# Altium PCB 6502_CPU_MainBoard_PCB_V1_2.PcbDoc (part 3 of 5)
Units mil, origin at the board's own origin, x right, y up, seen from the top; angles counter-clockwise.
Board outline 9000 x 6000 mil, 4 copper layers (Top Layer, Plane(GND), Plane(Power), Bottom Layer), stack 23.756 mil thick; 386 components, 378 nets, 1499 pads, 666 vias.
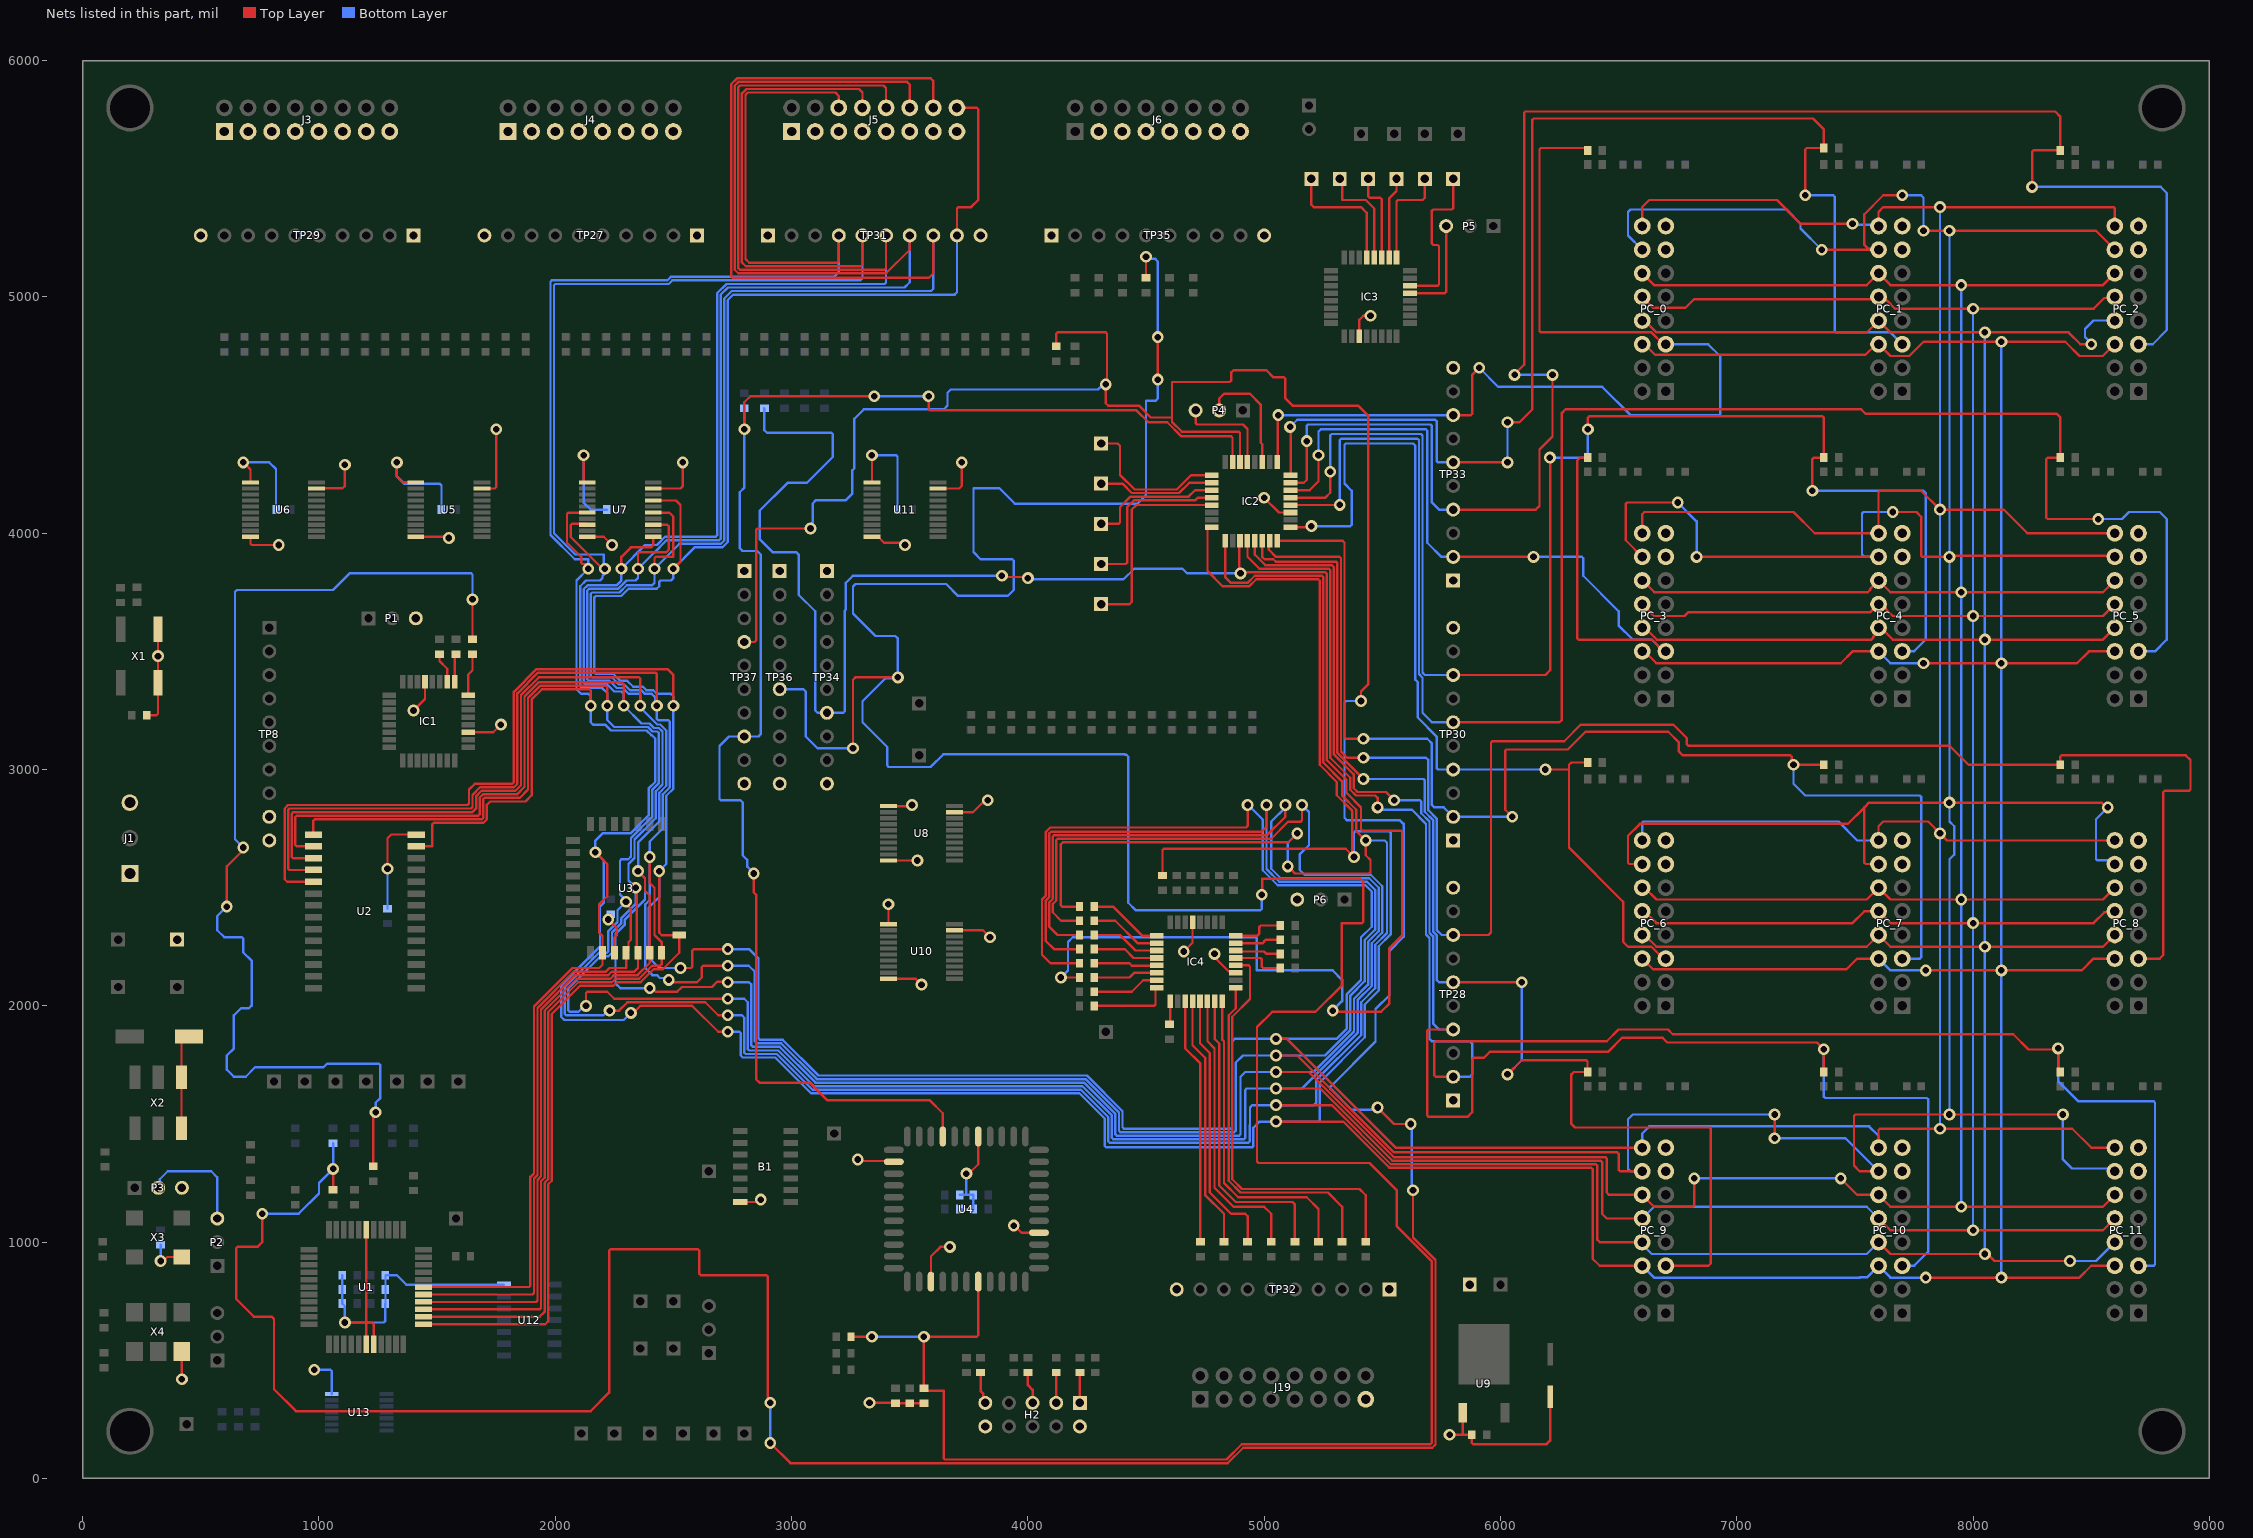
[diagram p5: the nets of this part, all layers, seen from the top]

## Via types
v1: diameter 50, hole 28, Top Layer to Bottom Layer, 666 vias

## Nets (pads, with @x,y where several pads share a name; then routed paths per layer and width w, separated by ;. In a path a pad name is that pad's centre, name@x,y a point inside that pad or via, vN(x,y) a via of type N, cw(c..) or ccw(c..) an arc to the next point about the centre after c; other vN are vias at no path point) (continued)
D2: IC2.8 J5.6 PC_0.6 PC_1.6 PC_2.6 PC_3.6 PC_4.6 PC_5.6 PC_6.6 PC_7.6 PC_8.6 PC_9.6 PC_10.6 PC_11.6 R251.1 TP31.4 U1.28 U2.13 U3.15 U7.6 | length 33668.4
  Top Layer w10: U2.13@1411.71,2675 1480,2675 1480,2769.14 1485.86,2775 1696.21,2775 1710,2788.79 1710,2850.36 1724.64,2865 1874.14,2865 1900,2890.86 1900,3296.36 1943.64,3340 2144.14,3340 2150,3334.14 v1(2150,3270) ; U1.28@1442.13,810 1889.14,810 1895,815.86 1895,1276.01 1910,1291.01 1910,1997.57 2072.43,2160 2186.29,2160 2200,2173.71 U3.15@2200,2225 2200,2295 2185,2310 2185,2428.79 2220,2463.79 2220,2600 v1(2170,2650) ; U7.6@2135.24,4087.2 2055.86,4087.2 2050,4081.35 2050,3960 2110,3900 2110,3875.86 2115.86,3870 2130,3870 v1@2140,3860 ; v1(2320,1970) 2330,1970 2360,2000 2580,2000 2690,1890 v1(2730,1890) ; TP31.4@3200,5260 3200,5150.86 3194.14,5145 2820.86,5145 2805,5160.86 2805,5855 2815,5865 3185.43,5865 3200,5850.43 J5.6@3200,5800 ; R251.1@4570,2551.5 4570,2659.14 4575.86,2665 5345,2665 v1@5372.35,2637.65 ; IC2.8@4778.15,4024.76 4766.81,4024.76 4760,4017.95 4760,3840 4825,3775 4936.21,3775 4966.21,3805 5229.14,3805 5235,3799.14 5235,3020 5307.5,2947.5 5307.5,2891.29 5372.35,2826.44 v1@5372.35,2637.65 ; v1(5050,1510) 5334.85,1510 5529.85,1315 6384.14,1315 6390,1309.14 6390,930 6420,900 PC_9.6@6600,900 ; v1@5387.35,2637.35 v1(5380,2630) v1@5372.35,2637.65 ; PC_6.6@6600,2200 6645.43,2154.57 7464.57,2154.57 7510,2200 PC_7.6@7600,2200 ; PC_3.6@6600,3500 6610,3500 6660,3450 7440,3450 7490,3500 PC_4.6@7600,3500 ; PC_0.6@6600,4800 6610,4800 6655.43,4754.57 6845.07,4754.57 6845.5,4755 7545,4755 7590,4800 PC_1.6@7600,4800 7650,4750 7730,4750 7790,4810 v1(8120,4810) 8390,4810 8450,4750 8548.79,4750 8598.79,4800 PC_2.6@8600,4800 ; v1(7790,3450) 8440,3450 8490,3500 PC_5.6@8600,3500 ; v1(7800,850) v1(8120,850) 8450,850 8500,900 PC_11.6@8600,900 ; v1(7800,2150) v1(8120,2150) 8460,2150 8510,2200 PC_8.6@8600,2200
  Bottom Layer w10: v1(2320,1970) 2290,1940 2038.79,1940 2025,1953.79 2025,2086.21 2189.64,2250.86 2189.64,2419.84 2205,2435.19 2205,2615 2177.39,2642.61 2170,2642.61 2170,2700 2200,2730 2318.79,2730 2395,2806.21 2395,2919.85 2423.79,2948.64 2423.79,3130.36 2409.14,3145 2406.82,3145 2386.82,3165 2236.21,3165 2211.21,3190 2160,3190 2150,3200 v1(2150,3270) 2150,3310 2140,3320 2110,3320 2090,3340 2090,3800 v1(2140,3850) 2140,3890 2082.43,3890 1980,3992.43 1980,5064.14 1985.86,5070 2474.14,5070 2489.14,5085 3180,5085 3200,5105 TP31.4@3200,5260 ; v1@2725,1890 2779.14,1890 2785,1884.14 2785,1790 2793.79,1781.21 2931.21,1781.21 3082.43,1630 4218.79,1630 4325.61,1523.18 4325.61,1407.07 4331.46,1401.21 4948.54,1401.21 4954.39,1407.07 4954.39,1484.39 4980,1510 v1(5050,1510) 5230,1510 5235,1515 5235,1676.21 5425.61,1866.82 5425.61,2005.61 5485,2065 5485,2252.57 5535,2302.57 5535,2732.93 5529.14,2738.79 5385.86,2738.79 5380,2732.93 v1(5380,2630) ; PC_9.6@6600,900 6650,850 7520,850 7520.86,850.86 7550.86,850.86 PC_10.6@7600,900 7650,850 v1(7800,850) ; PC_7.6@7600,2200 7650,2150 v1(7800,2150) ; PC_4.6@7600,3500 7650,3450 v1(7790,3450) ; v1(8120,850) v1(8120,2150) v1(8120,3450) v1(8120,4810)
D3: IC2.9 J5.8 PC_0.8 PC_1.8 PC_2.8 PC_3.8 PC_4.8 PC_5.8 PC_6.8 PC_7.8 PC_8.8 PC_9.8 PC_10.8 PC_11.8 R253.1 TP31.5 U1.27 U2.15 U3.17 U7.8 | length 35176.4
  Top Layer w10: U2.15@976.67,2725 976.67,2784.14 982.53,2790 1690,2790 1695,2795 1695,2874.14 1700.86,2880 1850,2880 1885,2915 1885,3302.57 1937.43,3355 2214.14,3355 2220,3349.14 v1(2220,3270) ; U1.27@1442.13,778.5 1904.14,778.5 1910,784.36 1910,1269.79 1925,1284.79 1925,1991.36 2078.64,2145 2215,2145 2230,2160 2300,2160 U3.17@2300,2225 2310,2235 2310,2270 2320,2280 2320,2410 2299.64,2430.36 v1(2299.64,2440.36) ; U7.8@2135.24,4036.02 2131.38,4039.88 2084.8,4039.88 2084.69,4040 2070.86,4040 2065,4034.14 2065,3985 2192.35,3857.65 2212.35,3857.65 v1@2220,3850 ; v1(2230,1980) 2270.41,1980 2305.41,2015 2635,2015 2690,1960 v1(2730,1960) ; TP31.5@3300,5260 3300,5135.86 3294.14,5130 2805.86,5130 2790,5145.86 2790,5861.21 2808.79,5880 3285,5880 3300,5865 J5.8@3300,5800 ; R253.1@4218.5,2420 4145.86,2420 4140,2425.86 4140,2684.14 4148.36,2692.5 5103.71,2692.5 5140,2728.79 v1(5140,2730) ; IC2.9@4834.76,3968.15 4834.76,3815.24 4860,3790 4930,3790 4960,3820 5244.14,3820 5250,3814.14 5250,3030 5330,2950 5330,2890 5390,2830 5390,2740 v1(5430,2700) 5430,2637.52 5450,2617.52 5450,2565.86 5444.14,2560 5130,2560 v1(5100,2590) ; v1(5050,1580) 5286.07,1580 5536.07,1330 6404.14,1330 6410,1324.14 6410,1010 6420,1000 PC_9.8@6600,1000 ; PC_6.8@6600,2300 6610,2300 6660,2250 7550,2250 PC_7.8@7600,2300 7650,2250 v1(8050,2250) 8550,2250 PC_8.8@8600,2300 ; PC_3.8@6600,3600 6611.21,3600 6661.21,3550 7570,3550 7577.07,3557.07 7577.07,3560.6 7600,3583.53 PC_4.8@7600,3600 7610,3600 7660,3550 v1(8050,3550) 8550,3550 PC_5.8@8600,3600 ; PC_0.8@6600,4900 6609.89,4900 6659.89,4850 7550,4850 PC_1.8@7600,4900 7650,4850 v1(8050,4850) 8404.14,4850 8454.14,4800 v1(8500,4800) ; PC_10.8@7600,1000 7650,950 8060.82,950 8090.82,920 v1(8410,920)
  Bottom Layer w10: v1(2210,3850) 2205,3855 2205,3910 2085,3910 1995,4000 1995,5049.14 2000.86,5055 2480.36,5055 2495.36,5070 3290,5070 3300,5080 TP31.5@3300,5260 ; v1@2220,3850 2220,3839.18 2200,3819.18 2200,3810 2190,3800 2130,3800 2105.61,3775.61 2105.61,3351.46 2111.46,3345.61 2198.54,3345.61 2220,3324.14 v1(2220,3270) 2220,3210 2250,3180 2393.03,3180 2412.14,3160.89 2432.04,3160.89 2438.79,3154.14 2438.79,2942.43 2410,2913.64 2410,2800 2320.63,2710.63 2320.63,2631.84 2308.79,2620 2280,2620 2274.14,2614.14 2274.14,2471.42 2300,2445.56 v1@2300,2440.36 ; v1(2230,1980) 2224.14,1980 2204.14,1960 2045.86,1960 2040,1965.86 2040,2080 2185,2225 2219.14,2225 2225,2230.86 2225,2316.21 2263.7,2354.91 2263.7,2404.41 v1(2299.64,2440.36) ; v1@2725,1960 2790,1960 2800,1950 2800,1802.07 2805.86,1796.21 2937.43,1796.21 3088.64,1645 4225,1645 4340.61,1529.39 4340.61,1426.46 4346.46,1420.61 4933.54,1420.61 4939.39,1426.46 4939.39,1495 4940,1495.61 4940,1570 4950,1580 v1(5050,1580) 5210,1580 5220,1590 5220,1686.36 5410.61,1876.97 5410.61,2015.61 5470,2075 5470,2258.79 5520,2308.79 5520,2690 5510,2700 v1(5430,2700) ; v1(5100,2590) 5100,2690 v1(5140,2730) ; PC_9.8@6600,1000 6600,990 6640,950 7550,950 PC_10.8@7600,1000 ; v1(8050,950) v1(8050,2250) v1(8050,3550) v1(8050,4850) ; v1(8410,920) 8520,920 PC_11.8@8600,1000 ; v1(8500,4800) 8500,4804.22 8473.83,4830.4 8473.83,4863.83 8510,4900 PC_2.8@8600,4900
D4: J5.10 PC_0.10 PC_1.10 PC_2.10 PC_3.10 PC_4.10 PC_5.10 PC_6.10 PC_7.10 PC_8.10 PC_9.10 PC_10.10 PC_11.10 R255.1 TP31.6 U1.26 U2.16 U3.18 U7.11 | length 33313.6
  Top Layer w10: U2.16@976.67,2675 905.86,2675 900,2680.86 900,2799.14 905.86,2805 1674.14,2805 1680,2810.86 1680,2880.36 1694.64,2895 1837.78,2895 1870,2927.22 1870,3308.79 1931.21,3370 2280,3370 2290,3360 v1(2290,3270) ; U1.26@1442.13,747.01 1919.14,747.01 1925,752.87 1925,1263.58 1940,1278.58 1940,1985.15 2084.85,2130 2224.14,2130 2239.14,2145 2335,2145 2350,2160 U3.18@2350,2225 2345,2230 2345,2495 v1(2340,2500) ; v1(2130,2000) 2130,2054.14 2135.86,2060 2220,2060 2250,2030 v1@2725,2030 ; v1(2280,3850) 2280,3900 2320,3940 2404.96,3940 2414.76,3949.8 U7.11@2414.76,3984.84 ; v1@2282.93,3852.93 2285.86,3850 v1@2290,3850 ; TP31.6@3400,5260 3400,5120.86 3394.14,5115 2780.86,5115 2775,5120.86 2775,5888.64 2781.36,5895 3389.14,5895 3400,5884.14 J5.10@3400,5800 ; R255.1@4218.5,2360 4140.86,2360 4105,2395.86 4105,2431.36 4120,2446.36 4120,2701.64 4125.86,2707.5 5030,2707.5 5101.25,2778.75 5154.14,2778.75 5160,2784.61 v1(5160,2850) ; v1(5050,1650) 5237.28,1650 5542.28,1345 6424.14,1345 6430,1339.14 6430,1120 6450,1100 PC_9.10@6600,1100 ; PC_6.10@6600,2400 6610,2400 6660,2350 7490,2350 7540,2400 7601.32,2400 7651.32,2350 v1(8000,2350) 8510,2350 8555.42,2395.42 8595.42,2395.42 PC_8.10@8600,2400 ; PC_3.10@6600,3700 6650,3650 6778.79,3650 6793.79,3665 7563.68,3665 7598.68,3700 PC_4.10@7600,3700 7610,3700 7660,3650 v1(8000,3650) 8550,3650 PC_5.10@8600,3700 ; PC_0.10@6600,5000 6645.43,4954.57 6783.35,4954.57 6818.79,4990 7590,4990 PC_1.10@7600,5000 7616.47,5000 7632.13,4984.34 7635.66,4984.34 7670,4950 v1(8000,4950) 8510,4950 8555.42,4995.42 8595.42,4995.42 PC_2.10@8600,5000 ; PC_10.10@7600,1100 7650,1050 v1(8000,1050) 8550,1050 PC_11.10@8600,1100
  Bottom Layer w10: v1(2130,2000) 2123.43,2000 2098.43,1975 2060.86,1975 2055,1980.86 2055,2073.79 2191.21,2210 2225.36,2210 2240,2224.64 2240,2310 2278.7,2348.7 2278.7,2369.91 2340,2431.21 v1(2340,2500) 2310,2530 2310,2600 2335.63,2625.63 2335.63,2704.42 2425,2793.79 2425,2907.43 2453.79,2936.21 2453.79,3160.36 2438.25,3175.89 2418.36,3175.89 2399.25,3195 2365,3195 2290.06,3269.94 v1@2290,3269.94 ; v1(2290,3270) 2290,3320 2280,3330 2250,3330 2219.39,3360.61 2126.46,3360.61 2120.61,3366.46 2120.61,3763.54 2136.46,3779.39 2259.39,3779.39 2280,3800 v1(2280,3850) 2380,3950 2430,3950 2465,3985 2679.14,3985 2685,3990.86 2685,5015.36 2724.64,5055 3394.14,5055 3400,5060.86 TP31.6@3400,5260 ; v1(2730,2030) 2800,2030 2815,2015 2815,1817.07 2820.86,1811.21 2943.64,1811.21 3094.85,1660 4231.21,1660 4355.61,1535.61 4355.61,1441.46 4361.46,1435.61 4914.14,1435.61 4920,1441.46 4920,1644.14 4925.86,1650 v1(5050,1650) 5160,1650 5395.61,1885.61 5395.61,2024.39 5455,2083.79 5455,2265 5500,2310 5500,2506.21 5451.21,2555 5170.86,2555 5150,2575.86 5150,2640 5190,2680 5190,2820 v1(5160,2850) ; PC_9.10@6600,1100 6650,1150 7550,1150 PC_10.10@7600,1100 ; v1(8000,1050) v1(8000,2350) v1(8000,3650) v1(8000,4950)
D5: J5.12 PC_0.12 PC_1.12 PC_2.12 PC_3.12 PC_4.12 PC_5.12 PC_6.12 PC_7.12 PC_8.12 PC_9.12 PC_10.12 PC_11.12 R257.1 TP31.7 U1.25 U2.17 U3.19 U7.13 | length 33852.5
  Top Layer w10: U2.17@976.67,2625 890.86,2625 885,2630.86 885,2814.14 890.86,2820 1650,2820 1665,2835 1665,2886.57 1688.43,2910 1831.57,2910 1855,2933.43 1855,3315 1930,3390 2354.14,3390 2360,3384.14 v1(2360,3270) ; U1.25@1442.13,715.51 1934.14,715.51 1940,721.37 1940,1257.37 1955,1272.37 1955,1978.93 2091.07,2115 2234.14,2115 2249.14,2130 2348.79,2130 2400,2181.21 U3.19@2400,2225 2400,2466.36 2380,2486.36 2380,2540 v1(2350,2570) ; v1(2350,3850) 2350,3914.14 2355.86,3920 2470.5,3920 2480,3929.5 2480,4030 2473.98,4036.02 U7.13@2414.76,4036.02 ; v1(2400,2075) 2410.82,2075 2425.82,2060 2515.86,2060 2535.86,2080 2662.91,2080 2685,2102.09 2722.91,2102.09 v1@2725,2100 ; TP31.7@3500,5260 3500,5199.64 3400.36,5100 2774.64,5100 2760,5114.64 2760,5894.85 2775.15,5910 3489.14,5910 3500,5899.14 J5.12@3500,5800 ; R257.1@4218.5,2300 4125.86,2300 4090,2335.86 4090,2437.57 4105,2452.57 4105,2716.64 4110.86,2722.5 5012.5,2722.5 5090,2800 v1(5090,2850) ; v1(5050,1720) 5188.49,1720 5548.49,1360 6444.14,1360 6450,1354.14 6450,1210 6460,1200 PC_9.12@6600,1200 6650,1150 6814.14,1150 6820,1155.86 v1(6820,1270) ; PC_6.12@6600,2500 6610,2500 6660,2450 7550,2450 PC_7.12@7600,2500 7650,2450 v1(7950,2450) 8550,2450 PC_8.12@8600,2500 ; PC_3.12@6600,3800 6601.21,3800 6651.21,3750 7554.14,3750 7564.34,3760.2 7564.34,3764.34 PC_4.12@7600,3800 7650,3750 v1(7950,3750) 8550,3750 PC_5.12@8600,3800 ; PC_0.12@6600,5100 6650,5050 7550,5050 PC_1.12@7600,5100 7650,5050 v1(7950,5050) 8550,5050 PC_2.12@8600,5100 ; v1(7440,1270) 7510,1200 PC_10.12@7600,1200 7650,1150 v1(7950,1150) 8550,1150 PC_11.12@8600,1200
  Bottom Layer w10: v1(2400,2075) 2275,2075 2255,2095 2255,2303.79 2293.7,2342.49 2293.7,2363.7 2380,2450 2380,2540 v1(2350,2570) 2350.63,2570.63 2350.63,2690.63 2440,2780 2440,2901.21 2470,2931.21 2470,3165.36 2444.47,3190.89 2431.69,3190.89 2360,3262.57 2360,3314.14 2354.14,3320 2310.86,3320 2305,3325.86 2305,3326.21 2286.21,3345 2260,3345 2229.39,3375.61 2141.46,3375.61 2135.61,3381.46 2135.61,3757.32 2142.68,3764.39 2265.61,3764.39 2301.21,3800 2340,3800 2350,3810 v1(2350,3850) 2416.53,3916.53 2417.75,3916.53 2471.21,3970 2694.14,3970 2700,3975.86 2700,5009.14 2730.86,5040 3477.5,5040 3500,5062.5 TP31.7@3500,5260 ; v1@2725,2100 2820,2100 2830,2090 2830,1832.07 2835.86,1826.21 2949.85,1826.21 3101.07,1675 4237.43,1675 4370.61,1541.82 4370.61,1456.46 4376.46,1450.61 4894.14,1450.61 4900,1456.46 4900,1700 4920,1720 v1(5050,1720) 5208.79,1720 5380,1891.21 5380,2030 5440,2090 5440,2271.21 5485,2316.21 5485,2500 5445,2540 5070,2540 5030,2580 5030,2780 5090,2840 v1(5090,2850) ; v1(6820,1270) v1(7440,1270) ; v1(7950,1150) v1(7950,2450) v1(7950,3750) v1(7950,5050)
  other v1: 2730,2100
D6: J5.14 PC_0.14 PC_1.14 PC_2.14 PC_3.14 PC_4.14 PC_5.14 PC_6.14 PC_7.14 PC_8.14 PC_9.14 PC_10.14 PC_11.14 R259.1 TP31.8 U1.24 U2.18 U3.20 U7.15 | length 37706.3
  Top Layer w10: U2.18@976.67,2575 875.86,2575 870,2580.86 870,2829.14 875.86,2835 1643.79,2835 1650,2841.21 1650,2892.78 1682.22,2925 1825.36,2925 1840,2939.64 1840,3322.43 1927.57,3410 2424.14,3410 2430,3404.14 v1(2430,3270) ; U1.24@1442.13,684.02 1934.02,684.02 1955,705 1955,1251.15 1970,1266.15 1970,1972.72 2097.28,2100 2240.36,2100 2255.36,2115 2355,2115 2410,2170 2444.14,2170 2450,2175.86 U3.20@2450,2225 2450,2270 2420,2300 2420,2500 2400,2520 v1(2400,2630) ; U7.15@2414.76,4087.2 2482.8,4087.2 2500,4070 2500,3901.21 2498.79,3900 2425.86,3900 2420,3894.14 v1(2420,3850) ; v1@2480,2100 2600,2100 2620,2120 2620,2164.14 2625.86,2170 v1@2725,2170 ; TP31.8@3600,5260 3600,5100 3581.27,5081.27 2750.86,5081.27 2745,5087.13 2745,5901.07 2768.93,5925 3589.14,5925 3600,5914.14 J5.14@3600,5800 ; R259.1@4218.5,2240 4110.86,2240 4075,2275.86 4075,2443.79 4090,2458.79 4090,2728.79 4098.71,2737.5 4990,2737.5 5010,2757.5 v1(5010,2850) ; v1(5050,1790) 5140,1790 5550,1380 6494.14,1380 6500,1374.14 6500,1305.86 6505.86,1300 PC_9.14@6600,1300 ; PC_6.14@6600,2600 6545.86,2600 6540,2605.86 6540,2720 6590,2770 7470,2770 7540,2840 ; PC_3.14@6600,3900 6530,3970 6530,4124.14 6535.86,4130 v1(6750,4130) ; v1(6830,3900) PC_4.14@7600,3900 ; v1(7160,1440) v1(7160,1540) ; v1(7360,5200) PC_1.14@7600,5200 7595.42,5204.58 7555.42,5204.58 7540,5220 7540,5350 7620,5430 v1(7700,5430) ; PC_10.14@7600,1300 7520,1300 7495.86,1324.14 7495.86,1534.14 7501.72,1540 v1(7900,1540) v1(8380,1540) ; PC_7.14@7600,2600 7545.86,2600 7540,2605.86 7540,2840 ; v1(7660,4090) 7760,4090 7780,4070 7780,3905.86 7785.86,3900 v1(7900,3900) ; v1(7790,5280) v1(7900,5280) 8520,5280 PC_2.14@8600,5200 ; v1@7900,3905 8595,3905 PC_5.14@8600,3900 ; v1(8570,2840) 8564.14,2840 8544.14,2860 v1(7900,2860) 7560,2860 7540,2840
  Bottom Layer w10: v1(2480,2110) 2472.35,2117.65 2442.35,2117.65 2430,2130 2411.21,2130 2380.61,2160.61 2380.61,2429.39 2400,2448.79 v1(2400,2630) 2400,2695 2455,2750 2455,2895 2485,2925 2485,3202.07 2479.14,3207.93 2435.86,3207.93 2430,3213.79 v1(2430,3270) 2422.35,3277.65 2422.35,3306.44 2408.79,3320 2380,3320 2365,3335 2317.43,3335 2292.43,3360 2270,3360 2239.39,3390.61 2156.46,3390.61 2150.61,3396.46 2150.61,3743.54 2156.46,3749.39 2271.82,3749.39 2302.43,3780 2410,3780 2420,3790 v1(2420,3850) 2525,3955 2700.36,3955 2715,3969.64 2715,4992.78 2747.22,5025 3590,5025 3600,5035 TP31.8@3600,5260 ; v1@2725,2170 2819.14,2170 2845,2144.14 2845,1850 2853.79,1841.21 2956.07,1841.21 3107.28,1690 4243.64,1690 4385.61,1548.03 4385.61,1471.46 4391.46,1465.61 4873.28,1465.61 4879.14,1471.46 4879.14,1759.14 4910,1790 v1(5050,1790) 5257.57,1790 5365,1897.43 5365,2043.79 5425,2103.79 5425,2277.43 5470,2322.43 5470,2490 5435,2525 5063.79,2525 5010,2578.79 v1(5010,2850) ; PC_6.14@6590,2610 PC_6.14@6600,2600 ; PC_9.14@6600,1300 6550,1300 6540,1310 6540,1520 6560,1540 v1(7160,1540) ; PC_0.14@6600,5200 6540,5260 6540,5360 6550,5370 7210,5370 7270,5310 7270,5290 v1(7360,5200) ; v1(6750,4130) 6830,4050 v1(6830,3900) ; v1(7160,1440) 7460,1440 PC_10.14@7600,1300 ; PC_4.14@7600,3900 7540,3900 7530,3910 7530,4084.14 7535.86,4090 v1(7660,4090) ; v1(7700,5430) 7780,5430 7790,5420 v1(7790,5280) ; v1(7900,1540) 7900,2620 7920,2640 7920,2760 7900,2780 v1(7900,2860) v1(7900,3900) v1(7900,5280) ; v1(8380,1540) 8380,1350 8418.35,1311.65 8588.35,1311.65 PC_11.14@8600,1300 ; v1(8570,2840) 8520,2790 8520,2621.52 8525.86,2615.66 8567.87,2615.66 8583.53,2600 PC_8.14@8600,2600
  other v1: 2730,2170
D7: J5.16 PC_0.16 PC_1.16 PC_2.16 PC_3.16 PC_4.16 PC_5.16 PC_6.16 PC_7.16 PC_8.16 PC_9.16 PC_10.16 PC_11.16 R261.1 TP31.9 U1.23 U2.19 U3.21 U7.17 | length 33331.5
  Top Layer w10: U2.19@976.67,2525 865.86,2525 855,2535.86 855,2835.36 869.64,2850 1629.14,2850 1635,2855.86 1635,2915 1660,2940 1819.14,2940 1825,2945.86 1825,3328.64 1921.36,3425 2475,3425 2500,3400 v1(2500,3270) ; U1.23@1442.13,652.52 1957.52,652.52 1970,665 1970,1244.94 1985,1259.94 1985,1965 2105,2085 2246.57,2085 2261.57,2100 2361.21,2100 2416.21,2155 2455,2155 2525,2225 U3.21@2525,2299 2451,2299 2440,2310 v1(2440,2570) ; U7.17@2414.76,4138.39 2511.61,4138.39 2530,4120 2530,3880 v1(2500,3850) ; v1(2530,2160) 2574.14,2160 2580,2165.86 2580,2234.14 2585.86,2240 v1(2730,2240) ; TP31.9@3700,5260 3700,5374.14 3705.86,5380 3760,5380 3790,5410 3790,5794.14 3784.14,5800 J5.16@3700,5800 ; R261.1@4218.5,2180 4095.86,2180 4060,2215.86 4060,2450 4075,2465 4075,2735 4095,2755 4924.14,2755 4930,2760.86 v1(4930,2850) ; v1(5050,1860) 5096.46,1860 5556.46,1400 PC_9.16@6600,1400 ; PC_3.16@6600,4000 6600,4080 6610,4090 7240,4090 7330,4000 PC_4.16@7600,4000 7600,4174.14 7605.86,4180 7780,4180 v1(7860,4100) 8130,4100 8230,4000 PC_5.16@8600,4000 ; PC_0.16@6600,5300 6600,5380 6630,5410 7170,5410 7270,5310 v1(7490,5310) ; PC_10.16@7600,1400 7600,1474.14 7605.86,1480 v1(7860,1480) 8420,1480 8500,1400 PC_11.16@8600,1400 ; PC_7.16@7600,2700 7600,2760 7620,2780 7810,2780 v1(7860,2730) 7890,2700 PC_8.16@8600,2700 ; PC_1.16@7600,5300 7600,5360 7620,5380 v1(7860,5380) 8594.14,5380 8600,5374.14 PC_2.16@8600,5300